# Altium PCB TIK_PCB.PcbDoc (part 2 of 2)
Units mm, origin at the board's own origin, x right, y up, seen from the top; angles counter-clockwise.
Board outline 132 x 54 mm, 2 copper layers (Top Layer, Bottom Layer), stack 1.57 mm thick; 153 components, 81 nets, 467 pads, 1308 vias.
Unrouted connection lines stored in the file: 276.
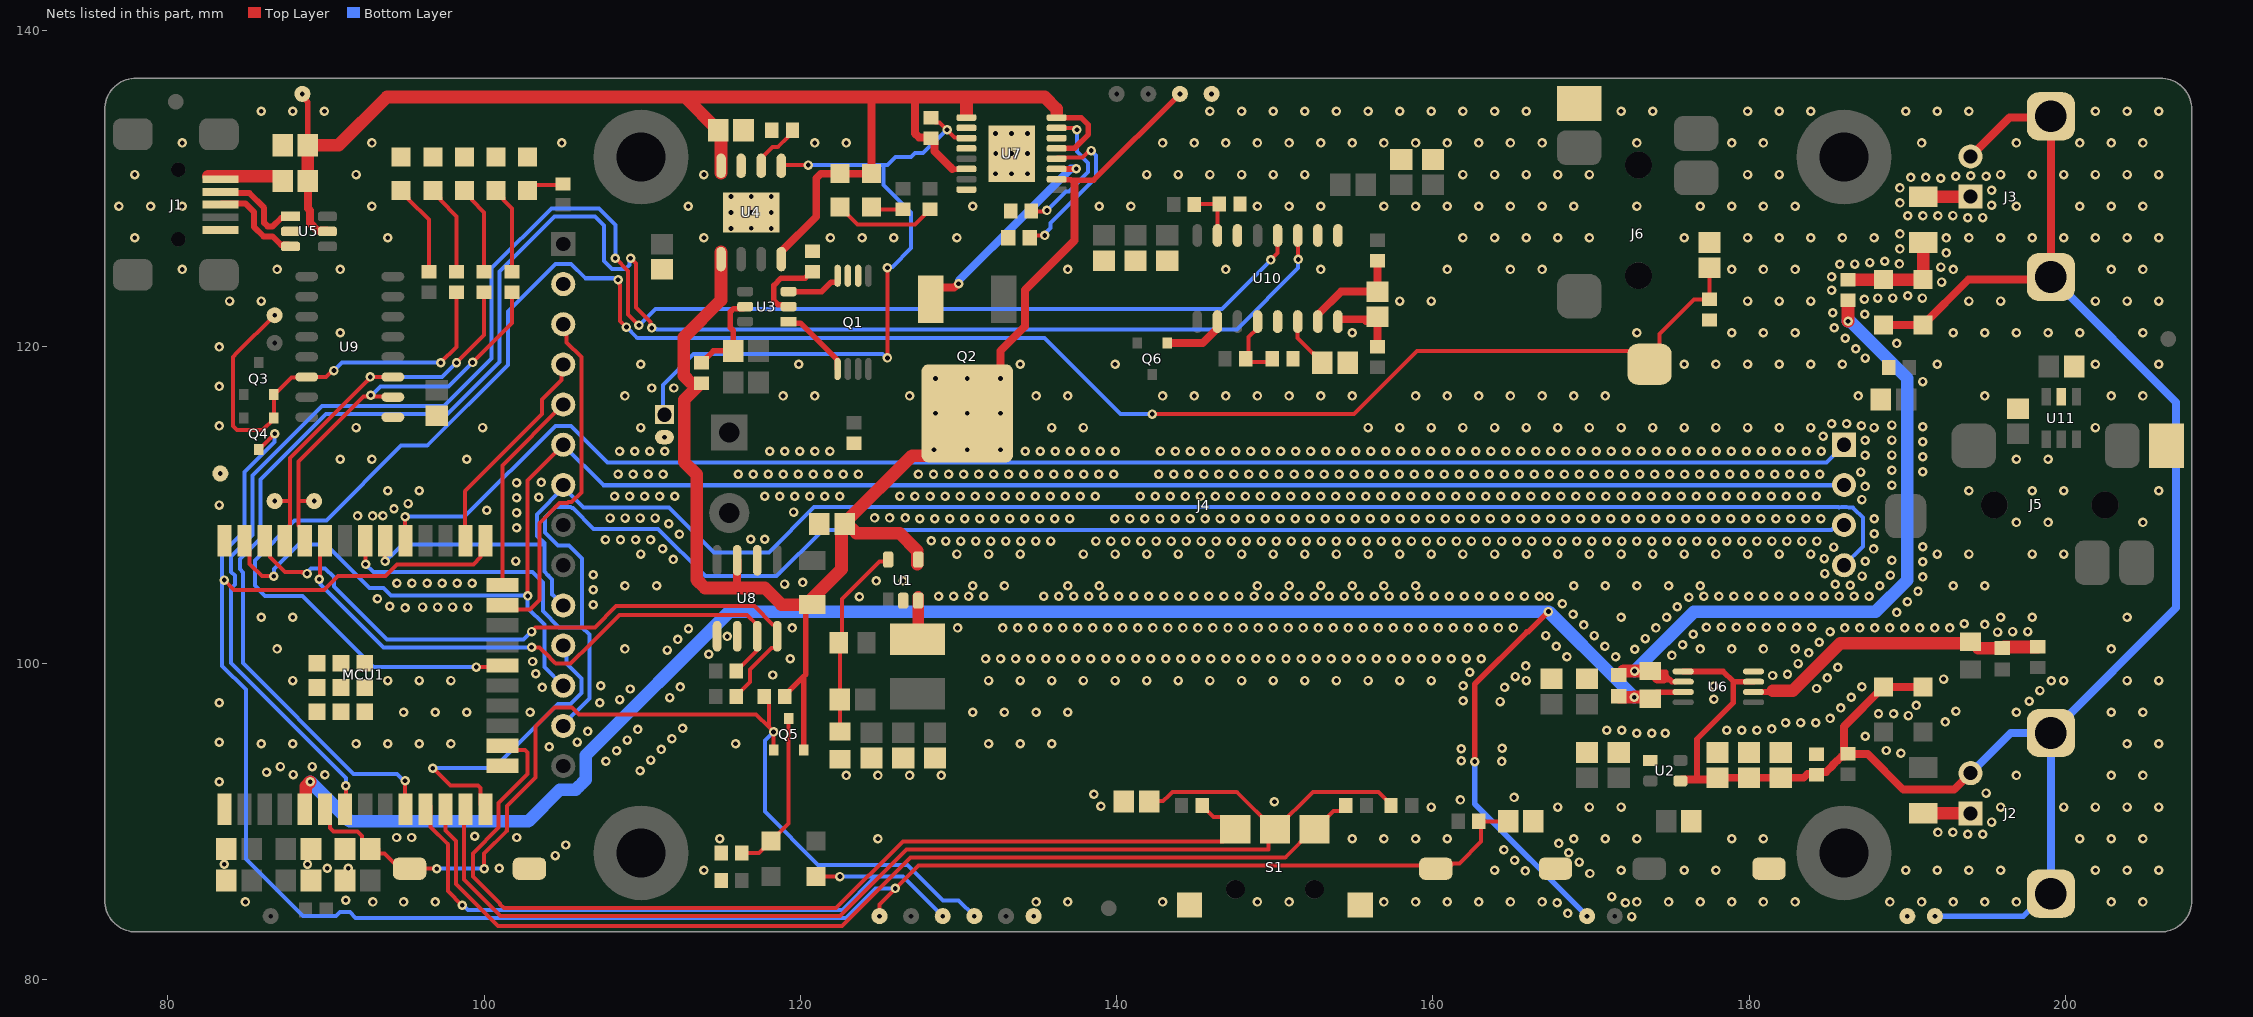
[diagram p2: the nets of this part, all layers, seen from the top]

## Via types
v1: diameter 0.6, hole 0.3, Top Layer to Bottom Layer, tented both sides, 1290 vias
v2: diameter 0.5, hole 0.3, Top Layer to Bottom Layer, tented both sides, 18 vias

## Nets (pads, with @x,y where several pads share a name; then routed paths per layer and width w, separated by ;. In a path a pad name is that pad's centre, name@x,y a point inside that pad or via, vN(x,y) a via of type N, cw(c..) or ccw(c..) an arc to the next point about the centre after c; other vN are vias at no path point) (continued)
GND: C1.1 C2.1 C3.1 C4.1 C6.1 C7.1 C8.1 C9.1 C10.1 C11.1 C12.1 C13.1 C14.1 C16.1 C17.1 C18.1 C19.1 C20.1 C21.1 C26.1 C27.1 C28.1 C30.1 C31.1 C32.1 C33.1 C34.1 C35.1 C36.1 C37.1 C38.1 C40.1 C41.1 C42.1 C43.1 D1.2 D8.2 D9.2 D10.2 D11.2 GND1.1 GND2.1 GND3.1 GND4.1 J1.5 J4.2 J5.1 J6.1 MCU1.1 MCU1.15 MCU1.38 MCU1.39 Q1.2 Q1.3 R3.1 R5.1 R7.1 R8.1 R19.1 R25.1 R31.1 R32.1 R37.1 R38.1 R39.1 R40.1 RT1.2 S1.C S1.G S2.1 S3.1 S4.1 U1.2 U2.1 U4.3 U5.2 U6.4 U7.6 U7.10 U7.12 U7.16 U8.1 U8.2 U8.6 U9.1 U10.5 U10.9 U10.10 U10.14 U11.2
  other v1: 172.572,83.975 168.525,84.174 167.853,84.846 172.176,84.839 84.9,84.9 92.966,84.9 94.9,84.9 96.9,84.9 134.9,84.9 136.9,84.9 142.9,84.9 148.9,84.9 150.9,84.9 156.9,84.9 158.9,84.9 160.9,84.9 162.9,84.9 164.9,84.9 166.9,84.9 172.9,84.9 174.9,84.9 176.9,84.9 178.9,84.9 180.9,84.9 182.9,84.9 188.9,84.9 190.9,84.9 192.9,84.9 194.9,84.9 196.9,84.9 202.9,84.9 204.9,84.9 91.25,85 171.314,85.238 169.926,86.696 165.838,86.861 113.9,86.9 163.9,86.9 171.9,86.9 175.9,86.9 177.9,86.9 189.9,86.9 191.9,86.9 193.9,86.9 195.9,86.9 201.9,86.9 203.9,86.9 205.9,86.9 90.079,87.022 91.405,87.027 100.955,87.027 88.827,87.274 83.564,87.287 169.247,87.416 165.166,87.533 104.487,87.827 168.588,88.001 164.494,88.205 105.159,88.499 167.955,88.596 114.9,88.9 124.9,88.9 154.9,88.9 156.9,88.9 158.9,88.9 160.9,88.9 168.9,88.9 170.9,88.9 172.9,88.9 178.9,88.9 180.9,88.9 200.9,88.9 202.9,88.9 204.9,88.9 94.459,88.973 95.409,88.973 102.059,88.973 99.401,89.046 193.826,89.173 194.776,89.176 191.936,89.292 192.886,89.307 195.327,89.95 159.9,90.9 167.9,90.9 169.9,90.9 171.9,90.9 195.9,90.9 199.9,90.9 201.9,90.9 203.9,90.9 205.9,90.9 139.004,90.942 149.98,91.23 161.737,91.348 165.131,91.506 138.564,91.701 194.978,91.784 83.25,92.5 122.9,92.9 124.9,92.9 126.9,92.9 128.9,92.9 196.9,92.9 202.9,92.9 204.9,92.9 89.93,92.946 87.922,92.953 86.24,93.099 109.861,93.201 89.13,93.458 87.119,93.46 164.36,93.78 107.703,93.794 161.787,93.828 110.533,93.873 189.596,94.293 108.375,94.466 188.664,94.475 111.205,94.545 161.787,94.593 164.37,94.62 104.109,94.704 85.9,94.9 87.9,94.9 91.9,94.9 93.9,94.9 95.9,94.9 97.9,94.9 115.9,94.9 131.9,94.9 133.9,94.9 135.9,94.9 203.9,94.9 205.9,94.9 83.25,95 105.88,95.006 109.047,95.138 111.877,95.216 187.335,95.383 172.888,95.567 173.838,95.567 174.696,95.567 106.552,95.677 170.988,95.753 171.938,95.753 178.588,95.753 179.538,95.753 180.488,95.753 109.719,95.81 181.434,95.838 112.548,95.888 182.303,96.223 183.253,96.223 184.203,96.223 192.406,96.28 185.112,96.5 190.071,96.687 188.178,96.805 189.128,96.799 94.9,96.9 96.9,96.9 98.9,96.9 102.9,96.9 130.9,96.9 132.9,96.9 134.9,96.9 136.9,96.9 196.9,96.9 202.9,96.9 204.9,96.9 193.077,96.952 185.786,97.169 190.57,97.322 107.307,97.487 83.25,97.5 164.243,97.573 197.717,97.591 161.903,97.621 108.567,97.693 177.768,97.71 111.734,97.825 186.457,97.841 198.388,98.263 109.239,98.364 184.261,98.396 103.676,98.465 164.53,98.479 112.406,98.497 187.129,98.513 177.772,98.549 107.379,98.571 161.903,98.571 199.104,98.887 87.9,98.9 93.9,98.9 95.9,98.9 97.9,98.9 131.9,98.9 133.9,98.9 135.9,98.9 137.9,98.9 139.9,98.9 141.9,98.9 143.9,98.9 145.9,98.9 147.9,98.9 149.9,98.9 151.9,98.9 153.9,98.9 155.9,98.9 157.9,98.9 159.9,98.9 165.9,98.9 199.9,98.9 203.9,98.9 205.9,98.9 192.291,98.995 184.932,99.067 165.202,99.15 181.477,99.218 118.25,99.25 182.423,99.299 103.27,99.324 162.335,99.417 185.604,99.739 165.873,99.822 183.095,99.971 103.058,100.103 119.359,100.277 131.709,100.277 132.659,100.277 133.609,100.277 134.559,100.277 135.509,100.277 136.459,100.277 137.409,100.277 138.359,100.277 139.309,100.277 140.259,100.277 141.209,100.277 142.159,100.277 143.109,100.277 144.059,100.277 145.009,100.277 145.959,100.277 146.909,100.277 147.859,100.277 148.809,100.277 149.759,100.277 150.709,100.277 151.659,100.277 152.608,100.277 153.558,100.277 154.508,100.277 155.458,100.277 156.408,100.277 157.358,100.277 158.308,100.277 159.258,100.277 160.208,100.277 161.158,100.277 162.108,100.277 163.058,100.277 168.475,100.401 171.551,100.4 175.112,100.487 114.198,100.556 183.767,100.642 111.578,100.828 86.9,100.9 108.9,100.9 172.757,100.883 176.9,100.9 178.9,100.9 180.9,100.9 182.9,100.9 202.9,100.9 167.803,101.072 170.879,101.072 175.784,101.158 184.439,101.314 112.25,101.5 173.429,101.554 115.377,101.686 167.131,101.744 170.207,101.743 176.456,101.83 195.71,101.965 185.118,101.978 196.659,101.998 197.609,101.998 112.922,102.172 119.491,102.223 129.94,102.223 132.79,102.223 133.74,102.223 134.69,102.223 135.64,102.223 136.59,102.223 137.54,102.223 138.49,102.223 139.44,102.223 140.39,102.223 141.34,102.223 142.29,102.223 143.24,102.223 144.19,102.223 145.14,102.223 146.09,102.223 147.04,102.223 147.99,102.223 148.94,102.223 149.89,102.223 150.84,102.223 151.79,102.223 152.74,102.223 153.69,102.223 154.64,102.223 155.59,102.223 156.54,102.223 157.49,102.223 158.44,102.223 159.39,102.223 160.34,102.223 161.29,102.223 162.24,102.223 163.19,102.223 164.14,102.223 165.09,102.223 174.101,102.226 186.036,102.223 186.986,102.223 187.936,102.223 188.886,102.223 189.836,102.223 190.786,102.223 191.736,102.223 192.686,102.223 177.294,102.277 178.244,102.277 179.194,102.277 180.144,102.277 181.094,102.277 182.044,102.277 182.994,102.277 183.944,102.277 169.535,102.415 194.891,102.447 193.598,102.49 85.9,102.9 87.9,102.9 171.9,102.9 174.772,102.898 195.9,102.9 197.9,102.9 203.9,102.9 168.864,103.087 189.333,103.208 95,103.5 96.103,103.548 97.053,103.548 98.003,103.548 98.953,103.548 175.444,103.57 94.034,103.605 106.896,103.692 168.192,103.759 190.005,103.879 93.253,104.069 176.187,104.162 123.728,104.204 128.736,104.223 129.686,104.223 130.636,104.223 131.586,104.223 135.386,104.223 136.336,104.223 137.286,104.223 138.236,104.223 139.186,104.223 140.136,104.223 141.086,104.223 142.036,104.223 142.986,104.223 143.936,104.223 144.886,104.223 145.836,104.223 146.786,104.223 147.736,104.223 148.686,104.223 149.636,104.223 150.586,104.223 151.536,104.223 152.486,104.223 153.436,104.223 154.386,104.223 155.336,104.223 156.286,104.223 157.236,104.223 158.186,104.223 159.136,104.223 160.086,104.223 161.036,104.223 161.986,104.223 162.936,104.223 163.886,104.223 164.836,104.223 165.786,104.223 166.736,104.223 167.357,104.212 177.135,104.223 178.085,104.223 179.035,104.223 179.985,104.223 180.935,104.223 181.885,104.223 182.835,104.223 183.785,104.223 184.735,104.223 185.685,104.223 186.635,104.223 187.585,104.223 190.677,104.551 106.896,104.642 188.263,104.888 108.9,104.9 110.9,104.9 130.9,104.9 132.9,104.9 136.9,104.9 138.9,104.9 148.9,104.9 150.9,104.9 152.9,104.9 154.9,104.9 156.9,104.9 158.9,104.9 168.9,104.9 170.9,104.9 172.9,104.9 174.9,104.9 176.9,104.9 192.9,104.9 194.9,104.9 186.391,104.921 185.443,104.984 119,105 94.485,105.048 95.435,105.048 96.385,105.048 97.335,105.048 98.285,105.048 99.235,105.048 120.142,105.101 124.8,105.2 126.5,105.2 190.973,105.454 187.137,105.509 188.935,105.56 106.896,105.592 184.781,105.665 190.973,106.404 187.338,106.438 102.003,106.452 189.027,106.506 111.952,106.555 184.74,106.615 109.9,106.9 129.9,106.9 131.9,106.9 133.9,106.9 137.9,106.9 139.9,106.9 141.9,106.9 143.9,106.9 145.9,106.9 147.9,106.9 149.9,106.9 151.9,106.9 153.9,106.9 155.9,106.9 157.9,106.9 159.9,106.9 161.9,106.9 163.9,106.9 165.9,106.9 167.9,106.9 169.9,106.9 171.9,106.9 173.9,106.9 175.9,106.9 177.9,106.9 179.9,106.9 181.9,106.9 183.9,106.9 191.9,106.9 193.9,106.9 197.9,106.9 199.9,106.9 187.87,107.225 111.28,107.226 185.349,107.344 190.973,107.354 129.188,107.723 130.138,107.723 131.088,107.723 132.038,107.723 132.988,107.723 133.938,107.723 134.888,107.723 135.838,107.723 138.688,107.723 139.638,107.723 140.588,107.723 141.538,107.723 142.488,107.723 143.438,107.723 144.388,107.723 145.338,107.723 146.288,107.723 147.238,107.723 148.188,107.723 149.138,107.723 150.088,107.723 151.038,107.723 151.988,107.723 152.938,107.723 153.888,107.723 154.838,107.723 155.788,107.723 156.738,107.723 157.688,107.723 158.638,107.723 159.588,107.723 160.538,107.723 161.488,107.723 162.438,107.723 163.388,107.723 164.338,107.723 165.288,107.723 166.238,107.723 167.188,107.723 168.138,107.723 169.088,107.723 170.038,107.723 170.988,107.723 171.938,107.723 172.888,107.723 173.838,107.723 174.788,107.723 175.738,107.723 176.688,107.723 177.638,107.723 178.588,107.723 179.538,107.723 180.488,107.723 181.438,107.723 182.388,107.723 183.338,107.723 184.288,107.723 128.268,107.741 107.672,107.798 108.622,107.798 109.572,107.798 110.522,107.798 116.864,107.83 117.746,107.83 112.348,108.145 187.902,108.175 102.048,108.556 111.677,108.817 196.9,108.9 198.9,108.9 204.9,108.9 127.54,109.128 128.49,109.128 129.44,109.128 130.39,109.128 131.34,109.128 132.29,109.128 133.24,109.128 134.19,109.128 135.14,109.128 136.09,109.128 137.04,109.128 139.89,109.128 140.84,109.128 141.79,109.128 142.74,109.128 143.69,109.128 144.64,109.128 145.59,109.128 146.54,109.128 147.49,109.128 148.44,109.128 149.39,109.128 150.34,109.128 151.29,109.128 152.24,109.128 153.19,109.128 154.14,109.128 155.09,109.128 156.04,109.128 156.99,109.128 157.94,109.128 158.89,109.128 159.84,109.128 160.79,109.128 161.74,109.128 162.69,109.128 163.64,109.128 164.59,109.128 165.54,109.128 166.49,109.128 167.44,109.128 168.39,109.128 169.34,109.128 170.29,109.128 171.24,109.128 172.19,109.128 173.14,109.128 174.09,109.128 175.04,109.128 175.99,109.128 176.94,109.128 177.89,109.128 178.84,109.128 179.79,109.128 180.74,109.128 181.69,109.128 182.64,109.128 183.59,109.128 184.54,109.128 187.902,109.125 107.958,109.173 108.908,109.173 109.858,109.173 110.808,109.173 124.69,109.186 125.64,109.186 126.636,109.186 91.995,109.308 92.945,109.312 93.597,109.315 102.048,109.506 119.564,109.557 100.169,109.675 94.298,109.756 83.25,110 95.185,110.095 187.131,110.346 102.048,110.456 103.452,110.489 108.245,110.548 109.195,110.548 110.145,110.548 111.095,110.548 112.045,110.548 117.745,110.548 118.695,110.548 119.645,110.548 120.595,110.548 121.545,110.548 122.495,110.548 126.295,110.548 127.245,110.548 128.195,110.548 129.145,110.548 130.095,110.548 131.045,110.548 131.995,110.548 132.945,110.548 133.895,110.548 134.845,110.548 135.795,110.548 136.745,110.548 137.695,110.548 138.645,110.548 141.495,110.548 142.445,110.548 143.395,110.548 144.345,110.548 145.295,110.548 146.245,110.548 147.195,110.548 148.145,110.548 149.095,110.548 150.045,110.548 150.995,110.548 151.945,110.548 152.895,110.548 153.845,110.548 154.795,110.548 155.745,110.548 156.695,110.548 157.645,110.548 158.595,110.548 159.545,110.548 160.495,110.548 161.445,110.548 162.395,110.548 163.345,110.548 164.295,110.548 165.245,110.548 166.195,110.548 167.145,110.548 168.095,110.548 169.045,110.548 169.995,110.548 170.945,110.548 171.895,110.548 172.845,110.548 173.795,110.548 174.745,110.548 175.695,110.548 176.645,110.548 177.595,110.548 178.545,110.548 179.495,110.548 180.445,110.548 181.395,110.548 182.345,110.548 183.295,110.548 184.245,110.548 93.9,110.9 95.9,110.9 193.9,110.9 197.9,110.9 199.9,110.9 205.9,110.9 187.326,111.175 189.027,111.256 102.048,111.406 103.609,111.426 108.466,111.952 109.416,111.952 110.366,111.952 111.316,111.952 116.066,111.952 117.016,111.952 117.966,111.952 118.916,111.952 119.866,111.952 120.816,111.952 121.766,111.952 122.716,111.952 123.666,111.952 127.466,111.952 128.416,111.952 129.366,111.952 130.316,111.952 131.266,111.952 132.216,111.952 133.166,111.952 134.116,111.952 135.066,111.952 136.016,111.952 136.966,111.952 137.916,111.952 138.866,111.952 139.816,111.952 142.666,111.952 143.616,111.952 144.566,111.952 145.516,111.952 146.466,111.952 147.416,111.952 148.365,111.952 149.315,111.952 150.265,111.952 151.215,111.952 152.165,111.952 153.115,111.952 154.065,111.952 155.015,111.952 155.965,111.952 156.915,111.952 157.865,111.952 158.815,111.952 159.765,111.952 160.715,111.952 161.665,111.952 162.615,111.952 163.565,111.952 164.515,111.952 165.465,111.952 166.415,111.952 167.365,111.952 168.315,111.952 169.265,111.952 170.215,111.952 171.165,111.952 172.115,111.952 173.065,111.952 174.015,111.952 174.965,111.952 175.915,111.952 176.865,111.952 177.815,111.952 178.765,111.952 179.715,111.952 180.665,111.952 181.615,111.952 182.565,111.952 183.515,111.952 184.465,111.952 187.048,112.083 190.973,112.104 189.027,112.206 90.9,112.9 92.9,112.9 98.9,112.9 196.9,112.9 198.9,112.9 190.973,113.054 187.327,113.14 189.027,113.156 108.565,113.402 109.515,113.402 110.465,113.402 111.415,113.402 118.065,113.402 119.015,113.402 119.965,113.402 120.915,113.402 121.865,113.402 134.215,113.402 135.165,113.402 136.115,113.402 137.065,113.402 138.015,113.402 138.965,113.402 139.915,113.402 142.765,113.402 143.715,113.402 144.665,113.402 145.615,113.402 146.565,113.402 147.515,113.402 148.465,113.402 149.415,113.402 150.365,113.402 151.315,113.402 152.265,113.402 153.215,113.402 154.165,113.402 155.115,113.402 156.065,113.402 157.015,113.402 157.965,113.402 158.915,113.402 159.865,113.402 160.815,113.402 161.765,113.402 162.715,113.402 163.665,113.402 164.615,113.402 165.565,113.402 166.515,113.402 167.465,113.402 168.415,113.402 169.365,113.402 170.315,113.402 171.265,113.402 172.215,113.402 173.165,113.402 174.115,113.402 175.065,113.402 176.015,113.402 176.965,113.402 177.915,113.402 178.865,113.402 179.815,113.402 180.765,113.402 181.715,113.402 182.665,113.402 183.615,113.402 184.565,113.402 190.973,114.004 187.327,114.09 189.027,114.106 184.673,114.346 91.9,114.9 99.9,114.9 109.9,114.9 135.9,114.9 137.9,114.9 155.9,114.9 157.9,114.9 159.9,114.9 161.9,114.9 163.9,114.9 165.9,114.9 167.9,114.9 169.9,114.9 171.9,114.9 173.9,114.9 175.9,114.9 177.9,114.9 179.9,114.9 181.9,114.9 183.9,114.9 187.9,114.9 201.9,114.9 190.973,114.954 83.25,115 187.1,115.012 189.027,115.056 185.208,115.131 186.158,115.137 108.9,116.9 118.9,116.9 120.9,116.9 126.9,116.9 134.9,116.9 136.9,116.9 142.9,116.9 144.9,116.9 146.9,116.9 148.9,116.9 150.9,116.9 152.9,116.9 154.9,116.9 158.9,116.9 160.9,116.9 162.9,116.9 164.9,116.9 166.9,116.9 168.9,116.9 170.9,116.9 186.9,116.9 194.9,116.9 202.9,116.9 204.9,116.9 110.6,117.4 112,117.4 83.25,117.5 190.973,117.804 109.9,118.9 119.9,118.9 133.9,118.9 139.9,118.9 175.9,118.9 177.9,118.9 179.9,118.9 181.9,118.9 183.9,118.9 185.9,118.9 191.9,118.9 201.9,118.9 205.9,118.9 187.335,119.29 186.743,119.882 83.25,120 189.327,120.22 186.071,120.554 90.9,120.9 154.9,120.9 172.9,120.9 178.9,120.9 180.9,120.9 182.9,120.9 192.9,120.9 194.9,120.9 196.9,120.9 198.9,120.9 200.9,120.9 204.9,120.9 185.382,121.208 187.312,122.063 185.277,122.152 83.9,122.9 85.9,122.9 157.9,122.9 159.9,122.9 179.9,122.9 181.9,122.9 183.9,122.9 193.9,122.9 195.9,122.9 201.9,122.9 203.9,122.9 205.9,122.9 187.29,123.013 188.134,123.085 189.084,123.085 190.96,123.085 190.022,123.236 185.212,123.578 192.165,124.101 185.21,124.432 80.9,124.9 86.9,124.9 90.9,124.9 136.9,124.9 146.9,124.9 152.9,124.9 160.9,124.9 164.9,124.9 166.9,124.9 178.9,124.9 180.9,124.9 182.9,124.9 192.9,124.9 202.9,124.9 204.9,124.9 192.125,125.05 185.726,125.23 186.676,125.24 189.502,125.245 187.622,125.33 188.568,125.415 192.462,125.938 189.535,126.194 77.9,126.9 93.9,126.9 113.9,126.9 121.9,126.9 123.9,126.9 125.9,126.9 129.9,126.9 161.9,126.9 163.9,126.9 165.9,126.9 167.9,126.9 169.9,126.9 175.9,126.9 179.9,126.9 181.9,126.9 183.9,126.9 185.9,126.9 187.9,126.9 192.465,126.888 193.9,126.9 195.9,126.9 197.9,126.9 199.9,126.9 201.9,126.9 203.9,126.9 205.9,126.9 189.535,127.144 193.826,128.173 194.776,128.176 190.036,128.298 190.986,128.285 191.936,128.292 192.886,128.307 76.9,128.9 78.9,128.9 80.9,128.9 92.9,128.9 112.9,128.9 130.9,128.9 138.9,128.9 140.9,128.9 148.9,128.9 150.9,128.9 152.9,128.9 156.9,128.9 158.9,128.9 160.9,128.9 162.9,128.9 164.9,128.9 166.9,128.9 168.9,128.9 172.9,128.9 176.9,128.9 178.9,128.9 180.9,128.9 182.9,128.9 196.9,128.9 200.9,128.9 202.9,128.9 204.9,128.9 195.327,128.95 189.535,129.105 195.327,129.9 189.535,130.055 192.118,130.671 190.219,130.715 191.169,130.715 193.06,130.791 194.978,130.784 194.009,130.827 77.9,130.9 91.9,130.9 113.9,130.9 141.9,130.9 143.9,130.9 145.9,130.9 147.9,130.9 149.9,130.9 151.9,130.9 161.9,130.9 163.9,130.9 165.9,130.9 167.9,130.9 169.9,130.9 179.9,130.9 181.9,130.9 195.9,130.9 197.9,130.9 199.9,130.9 201.9,130.9 203.9,130.9 205.9,130.9 80.9,132.9 92.9,132.9 104.9,132.9 120.9,132.9 122.9,132.9 142.9,132.9 144.9,132.9 146.9,132.9 148.9,132.9 150.9,132.9 152.9,132.9 154.9,132.9 156.9,132.9 158.9,132.9 160.9,132.9 162.9,132.9 164.9,132.9 166.9,132.9 172.9,132.9 178.9,132.9 180.9,132.9 190.9,132.9 196.9,132.9 200.9,132.9 202.9,132.9 204.9,132.9 85.9,134.9 87.9,134.9 89.9,134.9 145.9,134.9 147.9,134.9 149.9,134.9 151.9,134.9 153.9,134.9 155.9,134.9 157.9,134.9 159.9,134.9 161.9,134.9 163.9,134.9 165.9,134.9 171.9,134.9 173.9,134.9 179.9,134.9 181.9,134.9 183.9,134.9 189.9,134.9 191.9,134.9 193.9,134.9 201.9,134.9 203.9,134.9 205.9,134.9
  other v2: 115.615,127.484 118.155,127.484 116.885,127.5 115.615,128.5 116.885,128.5 118.155,128.5 115.615,129.516 116.885,129.516 118.155,129.516 132.334,130.955 133.35,130.955 134.366,130.955 132.35,132.225 133.35,132.225 134.366,132.225 132.334,133.495 133.35,133.495 134.366,133.495
GPIO0: C20.2 GPIO0.1 MCU1.25 Q4.3 R13.1 S3.2 | length 136.6
  Top Layer w0.254: v1(83.562,105.25) 84.182,104.63 89.88,104.63 90.75,105.5 93.75,105.5 94.5,106.25 99.313,106.25 99.766,106.703 99.766,107.427 MCU1.25@100.089,107.75 ; Q4.3@85.75,113.5 v1(86.75,114.5) ; GPIO0.1@125,84 125,84.75 v1(126,85.75) 127.453,87.203 160.728,87.203 S3.2@160.931,87 ; S3.2@160.431,87 S3.2@160.931,87 ; C20.2@164.75,90 163.05,90 163.05,88.71 161.673,87.333 161.264,87.333 S3.2@160.931,87
  Bottom Layer w0.254: v1(83.562,105.25) v1@83.425,105.25 ; v1(86.75,114.5) 86.75,114 84.845,112.095 84.845,108.345 83.425,106.925 v1@83.425,105.25 ; v1(126,85.75) 124.75,85.75 122.889,83.889 91.861,83.889 91.5,84.25 90.888,84.25 90.638,84 88.553,84 84.931,87.622 84.931,98.319 83.425,99.825 v1@83.425,105.25
HX_DATA: MCU1.7 U10.12 | length 109
  Top Layer w0.254: MCU1.7@91.204,90.75 91.25,90.796 v1(91.25,92.25) ; v1(108.292,125.612) 108.292,125.607 109.1,124.798 109.1,122.05 v1(109.79,121.36) ; v1(149.75,125.5) 149.75,125.52 150.174,125.944 150.174,127.044 U10.12@150.18,127.05
  Bottom Layer w0.254: v1(91.25,92.25) 91.25,92.75 84,100 84,104.725 84.243,104.968 84.243,105.532 84,105.775 84,106.75 85.353,108.103 85.353,111.853 89.758,116.258 97.471,116.258 100.476,119.263 100.476,124.976 104.25,128.75 107.25,128.75 108.292,127.708 v1(108.292,125.612) ; v1(109.79,121.36) 110.83,122.4 146.65,122.4 v1(149.75,125.5)
HX_SCK: MCU1.10 U10.11 | length 113.8
  Top Layer w0.254: v1(95,92.554) 95,90.769 MCU1.10@95.019,90.75 ; v1(109.255,125.607) 109.6,125.261 109.6,122.5 110.534,121.566 110.534,121.266 v1(110.6,121.2) ; U10.11@151.45,127.05 151.464,127.036 151.464,125.546 v1(151.477,125.532)
  Bottom Layer w0.254: v1(95,92.554) 94.929,92.554 94.483,93 91.75,93 84.751,99.999 84.751,105.742 84.547,105.946 84.547,106.579 85.861,107.893 85.861,111.611 90,115.75 97.681,115.75 100.984,119.053 100.984,124.766 104.46,128.242 107,128.242 107.569,127.673 107.569,125.431 108.069,124.931 108.782,124.931 108.788,124.926 108.922,124.926 109.189,125.192 109.189,125.54 v1(109.255,125.607) ; v1(110.6,121.2) 110.666,121.134 110.888,121.134 110.922,121.1 147.6,121.1 151.477,124.977 v1(151.477,125.532)
HX_SW: C42.2 J6.5 MCU1.20 R40.2 | length 133
  Top Layer w0.254: v1(99.5,99.75) 101.059,99.75 MCU1.20@101.16,99.851 ; v1(108.47,124.25) 108.536,124.184 108.536,123.992 108.6,123.928 108.6,121.65 v1(109,121.25) ; v1(142.25,115.75) 142.258,115.758 155.008,115.758 159,119.75 172.85,119.75 J6.5@173.7,118.9 174.323,119.523 174.323,120.823 176.5,123 R40.2@177.5,123 C42.2@177.5,125
  Bottom Layer w0.254: v1(99.5,99.75) 93,99.75 88.5,104.25 86.149,104.25 85.5,104.899 85.5,106.5 88.016,109.016 90.016,109.016 94.75,113.75 96.4,113.75 101.492,118.842 101.492,122.242 104.5,125.25 105.5,125.25 106.409,124.341 108.165,124.341 108.189,124.316 108.404,124.316 v1(108.47,124.25) ; v1(109,121.25) 109.681,120.569 135.423,120.569 135.746,120.246 135.754,120.246 140.25,115.75 v1(142.25,115.75)
INA+: C39.1 R34.2 U10.8 | length 4.6
  Top Layer w0.5: U10.8@153.99,121.6 153.99,121.704 154.036,121.75 156.35,121.75 C39.1@156.5,121.9 R34.2@156.5,120 ; 155.775,121.625 C39.1@155.8,121.65
INA-: C39.2 R33.2 U10.7 | length 6.8
  Top Layer w0.5: U10.7@152.72,121.6 152.72,122.025 154.195,123.5 C39.2@156.5,123.5 R33.2@156.5,125.45
LCD_CS: J4.3 MCU1.23 | length 22.1
  Top Layer w0.254: MCU1.23@101.16,103.666 101.759,103.666 102.033,103.392 102.892,103.392 103.5,104 103.5,108.846 104.771,110.118 105.281,110.118 105.339,110.176 105.522,110.176 106.143,110.797 106.143,119.363 105.219,120.287 105.219,121.211 J4.3@105,121.43
LCD_DC: J4.5 MCU1.24 | length 13.1
  Top Layer w0.254: MCU1.24@101.16,104.936 101.16,112.51 J4.5@105,116.35 J4.5@105,116.282
LCD_RESET: J4.4 MCU1.26 | length 13.7
  Top Layer w0.254: MCU1.26@98.824,107.75 98.802,107.772 98.802,110.871 103.672,115.74 103.672,116.672 104.896,117.896 104.896,118.786 J4.4@105,118.89
NetC5_1: C5.1 R1.1 R3.2 U1.5 | length 12.1
  Top Layer w0.254: R1.1@122.425,101.3 122.5,101.225 C5.1@122.5,97.7 R3.2@122.5,95.675 ; R1.1@122.427,101.775 122.5,101.848 122.618,101.848 122.618,104.057 124.988,106.426 125.426,106.426 U1.5@125.55,106.55
NetC15_2: C15.2 R6.1 U3.5 | length 5.9
  Top Layer w0.35: R6.1@113.75,119 113.8,119 114.05,119.25 114.05,119.3 114.5,119.75 C15.2@115.75,119.75 115.75,121.031 115.571,121.21 115.571,122.22 115.776,122.425 116.375,122.425 U3.5@116.5,122.55
NetC22_1: C22.1 R14.1 R15.2 U6.2 | length 19.5
  Top Layer w0.35: U6.2@180.275,98.175 181.425,98.175 181.5,98.25
  Top Layer w0.8: 181.5,98.25 182.75,98.25 185.75,101.25 193.9,101.25 R14.1@194,101.35 194.1,101.35 194.5,100.95 C22.1@196,100.95 196.05,100.95 196.125,101.025 R15.2@198.25,101.025
NetC23_1: C23.1 J2.1 | length 3
  Top Layer w0.8: C23.1@191,90.5 J2.1@194,90.5
NetC24_1: C24.1 J3.1 | length 2.8
  Top Layer w0.8: C24.1@191.25,129.5 J3.1@194,129.5
NetC25_1: C25.1 R16.2 R17.1 U6.6 | length 45.6
  Top Layer w0.35: v1(172.75,99.5) 173.85,99.5 174.232,99.5 174.232,99.453 174.25,99.435 174.721,99.435 174.721,99.22 175.111,98.83 175.326,98.83 U6.6@175.331,98.825 ; 174.576,99.118 174.738,98.956 174.967,98.956 175.064,98.859
  Top Layer w0.8: C25.1@171.75,99.25 171.8,99.3 171.85,99.3 172.05,99.5 v1(172.75,99.5) R17.1@173.75,99.5 ; R17.1@173.85,99.5 174.232,99.118 174.576,99.118 ; v1(186.25,121.625) R16.2@186.25,122.95
  Bottom Layer w0.8: v1(172.75,99.5) 176.5,103.25 188,103.25 190,105.25 190,118 186.375,121.625 v1(186.25,121.625)
NetC28_2: C28.2 U7.4 | length 10.2
  Top Layer w0.254: C28.2@134.5,126.9 134.65,127.05 v1(135.446,127.05) ; U7.4@136.2,131.9 136.264,131.964 137.844,131.964 138.292,132.412 v1(138.385,132.412)
  Bottom Layer w0.254: v1(135.446,127.05) 135.446,127.143 135.819,127.516 135.819,127.819 138.7,130.7 138.7,132.09 138.385,132.405 v1(138.385,132.412)
NetC40_2: C40.2 U10.6 | length 3.3
  Top Layer w0.254: U10.6@151.45,121.6 151.45,120.55 152.427,119.573 152.477,119.573 153,119.05 C40.2@153,119
NetD1_1: D1.1 R2.1 | length 2.4
  Top Layer w0.254: D1.1@102.75,129.9 103.1,130.25 104.95,130.25 R2.1@105,130.3
NetD6_2: D6.2 R23.2 | length 2.1
  Top Layer w0.254: D6.2@124.5,128.85 124.65,128.7 R23.2@126.5,128.7
NetD7_2: D7.2 R24.2 | length 6.8
  Top Layer w0.254: D7.2@122.35,128.7 D7.2@122.5,128.85 123.6,127.75 127.25,127.75 R24.2@128.2,128.7 R24.2@128.25,128.7
NetD8_1: D8.1 R26.1 | length 5.8
  Top Layer w0.254: D8.1@96.75,129.9 97.223,129.427 97.223,129.277 98.25,128.25 R26.1@98.25,124.75
NetD9_1: D9.1 R27.1 | length 5.9
  Top Layer w0.254: D9.1@94.75,129.9 95.223,129.427 95.223,129.321 96.5,128.044 R27.1@96.5,124.75
NetD10_1: D10.1 R28.1 | length 5.6
  Top Layer w0.254: D10.1@100.75,129.9 101.223,129.427 101.223,129.277 101.745,128.755 101.745,124.755 R28.1@101.75,124.75
NetD11_1: D11.1 R29.1 | length 5.7
  Top Layer w0.254: D11.1@98.75,129.9 99.223,129.427 99.223,129.277 100,128.5 R29.1@100,124.75
NetD12_1: D12.1 Q5.3 R31.2 | length 10.4
  Top Layer w0.254: R31.2@116.29,88 117.39,88 D12.1@118.14,88.75 119.25,89.86 Q5.3@119.25,96.5
NetL1_1: L1.1 U1.3 | length 2.7
  Top Layer w0.7: L1.1@127.4,101.5 127.45,101.55 U1.3@127.45,104.2
NetQ1_4: Q1.4 U3.3 | length 3.7
  Top Layer w0.35: U3.3@119.25,123.5 121.35,123.5 121.937,124.087 122.324,124.087 122.35,124.113 Q1.4@122.35,124.5
NetQ1_5: Q1.5 U3.1 | length 4.7
  Top Layer w0.35: U3.1@119.25,121.6 119.346,121.504 119.996,121.504 122.339,119.161 122.339,118.611 Q1.5@122.35,118.6
NetQ6_1: Q6.1 U10.2 | length 4
  Top Layer w0.5: Q6.1@143.2,120.25 145.445,120.25 146.337,121.142 146.337,121.567 U10.2@146.37,121.6
NetR7_2: R7.2 U3.2 | length 4.8
  Top Layer w0.35: U3.2@119.25,122.55 119.125,122.675 118.575,122.675 118.321,122.929 118.321,123.89 118.777,124.346 120.296,124.346 120.7,124.75 R7.2@120.75,124.75
NetR8_2: R8.2 U4.2 | length 3.3
  Top Layer w0.254: U4.2@117.52,131.45 117.52,131.925 118.222,132.627 118.566,132.627 119.202,133.263 119.202,133.402 R8.2@119.5,133.7
NetR19_2: R19.2 U7.7 | length 9
  Top Layer w0.254: R19.2@134.562,128.562 135.522,128.562 v1(135.588,128.628) ; U7.7@136.2,133.85 137.275,133.85 137.391,133.735 v1(137.485,133.735)
  Bottom Layer w0.254: v1(135.588,128.628) 136.801,129.842 136.976,129.842 138.192,131.057 138.192,131.642 137.485,132.35 v1(137.485,133.735)
NetR35_1: R35.1 R37.2 U10.15 | length 3.6
  Top Layer w0.254: R35.1@145,129.05 R37.2@146.5,129.05 146.37,128.92 U10.15@146.37,127.05
NetR36_1: R36.1 R38.2 U10.4 | length 4.3
  Top Layer w0.254: U10.4@148.91,121.6 148.91,121.175 148.35,120.615 148.35,119.05 R38.2@149.9,119.05
POWER_SW_HOLD: D13.1 MCU1.11 PW_HOLD.1 | length 43.3
  Top Layer w0.254: MCU1.11@96.612,90.981 96.612,89.638 97.704,88.546 97.704,85.583 v1(98.606,84.681) ; D13.1@121,86.5 v1(122.5,86.5)
  Bottom Layer w0.254: v1(98.606,84.681) 98.7,84.681 98.984,84.397 122.647,84.397 124.75,86.5 ; v1(122.5,86.5) 124.75,86.5 ; PW_HOLD.1@129,84 127.508,85.492 126.5,86.5 124.75,86.5
POWER_SW_USER: C32.2 MCU1.6 PW_USER.1 Q5.1 R30.1 S4.2 | length 62.3
  Top Layer w0.254: MCU1.6@89.929,90.75 90.236,90.443 90.236,89.576 90.462,89.35 91.989,89.35 92.277,89.062 92.277,88.773 C32.2@92.8,88.25 ; C32.2@93.277,88.296 93.323,88.25 93.323,87.962 93.682,87.962 94.645,87 S4.2@94.65,87.006 ; S4.2@95.288,87 v1(97,87) ; v1(100,87) 100,87.954 101.428,89.382 101.428,89.428 101.451,89.451 101.451,90.97 103.25,92.769 103.25,96 104.45,97.2 105.55,97.2 106,96.75 117.196,96.75 118,95.946 ; R30.1@117.7,97.9 117.998,97.602 117.998,97.405 118,97.403 118,95.946 ; Q5.1@118.3,94.55 v1(118.3,95.646) 118,95.946
  Bottom Layer w0.254: v1(97,87) v1(100,87) ; v1(118.3,95.646) 117.75,95.096 117.75,90.608 121.116,87.242 126.758,87.242 129.008,84.992 130.008,84.992 PW_USER.1@131,84
R\T\S\: Q3.2 Q4.1 R26.2 RTS.1 U9.14 | length 28.9
  Top Layer w0.254: Q3.2@86.7,116.95 Q4.1@86.7,115.5 86.7,115.45 85.98,114.73 84.381,114.73 84.119,114.992 84.119,119.369 84.381,119.631 RTS.1@86.75,122 ; Q3.2@86.7,117 86.7,117.05 86.873,117.223 86.973,117.223 87.811,118.061 88.741,118.061 U9.14@88.775,118.095 90.001,118.095 90.406,118.5 v1(90.5,118.5) ; v1(97.25,119) 98.25,120 R26.2@98.25,123.45
  Bottom Layer w0.254: v1(90.5,118.5) 91,119 v1(97.25,119)
RECEIVER_AMP: C25.2 MCU1.5 R17.2 R_AMP.1 U6.7 | length 123.7
  Top Layer w0.35: v1(162.646,93.779) 162.646,98.677 165.948,101.979 166.021,101.979 v1(167.302,103.26) ; R17.2@173.75,97.75 174.15,98.15 175.306,98.15 175.331,98.175 U6.7@175.825,98.175
  Top Layer w0.8: MCU1.5@88.659,90.75 88.709,90.8 88.709,92.209 v1(89,92.5) ; C25.2@171.75,97.9 171.8,97.85 v1(172.725,97.85) ; v1@172.725,97.854 173.646,97.854 R17.2@173.75,97.75
  Bottom Layer w0.35: v1(162.646,93.779) 162.646,91.104 R_AMP.1@169.75,84
  Bottom Layer w0.8: v1(89,92.5) 91.5,90 102.794,90 104.794,92 105.772,92 105.81,92.038 ccw(c105.244,92.604) 105.812,92.041 cw(c109.92,88) 106.143,92.351 ccw(c105.616,92.953) 106.209,92.416 106.416,92.645 106.416,94.166 115.5,103.25 v1@167.302,103.25 ; v1@167.325,103.25 171.696,98.879 v1(172.725,97.85)
RECEIVER_IN: C24.2 D4.2 D5.1 R16.1 | length 7.1
  Top Layer w0.8: R16.1@186.25,124.25 D5.1@191,124.25 C24.2@191,126.6
RXD: MCU1.35 R29.2 RXD.1 U9.3 | length 26.5
  Top Layer w0.254: RXD.1@86.75,110.25 87.729,110.25 ; MCU1.35@87.389,107.75 87.712,108.073 87.712,108.755 87.729,108.772 87.729,110.25 ; U9.3@94.715,118.095 U9.3@94.225,118.095 94.224,118.096 v1(92.793,118.098) v1(92.793,118.098) 92.793,118.051 92.64,117.898 92.64,117.89 87.729,112.979 87.729,110.25 ; v1(98.25,119) 100,120.75 R29.2@100,123.45
  Bottom Layer w0.254: v1(92.793,118.098) 97.348,118.098 v1(98.25,119)
SCL: MCU1.36 R22.1 U8.4 | length 43.1
  Top Layer w0.254: MCU1.36@86.119,107.75 86.442,107.427 86.442,106.708 87.4,105.75 88.475,105.75 88.491,105.734 88.731,105.734 v1(88.797,105.668) ; v1(103,102) 103.25,102.25 104.917,102.25 cw(c105,101.11) 105.083,102.25 107,102.25 108.35,103.6 117.1,103.6 118.243,102.457 118.403,102.457 118.5,102.36 U8.4@118.5,101.7 ; R22.1@115.95,97.9 115.95,97.95 116.796,98.796 116.796,99.596 118.16,100.96 118.403,100.96 118.54,101.097 U8.4@118.54,101.7
  Bottom Layer w0.254: v1(88.797,105.668) 88.797,105.739 89.051,105.992 89.947,105.992 90.49,105.449 90.49,104.851 93.841,101.5 102.5,101.5 v1(103,102)
SD_CS: J4.18 MCU1.29 | length 96.3
  Top Layer w0.254: v1(95,109.25) 95,107.769 MCU1.29@95.019,107.75
  Bottom Layer w0.254: v1(95,109.25) 95.019,109.269 98.769,109.269 104.5,115 105.5,115 107.8,112.7 184.89,112.7 J4.18@186,113.81
SDA: MCU1.33 R21.1 U8.3 | length 37.7
  Top Layer w0.254: v1(89.577,105.311) 89.606,105.341 89.606,107.427 MCU1.33@89.929,107.75 ; v1(103,101) 103.5,101 104.123,100.377 ccw(c105,101.11) 104.267,100.233 104.459,100.041 104.533,99.967 105.473,99.967 106.75,101.244 106.75,101.25 108.556,103.056 116.614,103.056 117.27,102.4 U8.3@117.27,101.7 117.213,101.643 117.213,100.763 R21.1@115.95,99.5
  Bottom Layer w0.254: v1(89.577,105.311) 89.643,105.245 89.643,104.98 93.631,100.992 102.992,100.992 v1(103,101)
SENSE: Q2.3 U7.3 | length 14.1
  Top Layer w0.35: U7.3@136.2,131.25 136.48,131.25 137.422,131.25 v1(137.443,131.271)
  Top Layer w0.5: Q2.3@128.25,123 128.25,123.2 128.8,123.75 129.723,123.75 129.973,124 v1(130,124)
  Bottom Layer w0.5: v1(130,124) 130.019,124.019 130.019,124.196 134.164,128.341 137.109,131.286 137.427,131.286 v1(137.443,131.271)
SPI_MISO: J4.13 J4.16 MCU1.31 | length 118.9
  Top Layer w0.254: MCU1.31@92.479,107.75 92.5,107.729 v1(92.5,106.25)
  Bottom Layer w0.254: v1(92.5,106.25) 93,105.75 103.068,105.75 103.708,105.11 103.708,103.292 104.747,102.253 106.194,102.253 ; J4.13@105,96.03 105,96.108 106.651,97.759 106.651,101.796 106.194,102.253 ; J4.16@186,108.73 185.757,108.487 185.278,108.487 185.216,108.425 121.425,108.425 118.5,105.5 114,105.5 111.008,108.492 106.91,108.492 105.604,109.798 105.548,109.798 105.473,109.873 104.527,109.873 103.857,109.203 103.857,108.257 104.679,107.434 105.372,107.434 106.194,106.612 106.194,102.253
SPI_MOSI: J4.6 J4.12 J4.17 MCU1.37 | length 121.1
  Top Layer w0.254: MCU1.37@84.849,107.75 85.172,107.427 85.172,106.284 85.957,105.5 86.687,105.5 v1(86.695,105.492) ; v1(102.75,104.25) 102.75,111.56 J4.6@105,113.81
  Bottom Layer w0.254: v1(86.695,105.492) 86.696,105.493 86.696,105.946 88.25,107.5 90,107.5 92.75,104.75 93.648,104.75 94.105,104.292 102.708,104.292 v1(102.75,104.25) 102.75,103.5 103.8,102.45 103.8,99.77 J4.12@105,98.57 ; J4.6@105,113.805 J4.6@105,113.81 107.56,111.25 185.98,111.25 J4.17@186,111.27
SPI_SCK: J4.7 J4.10 J4.15 MCU1.30 | length 109.6
  Top Layer w0.254: v1(93.734,106.447) 93.734,107.735 MCU1.30@93.749,107.75
  Bottom Layer w0.254: v1(93.734,106.447) 93.766,106.447 94.353,107.034 94.372,107.034 94.837,107.5 103.8,107.5 ; J4.10@105,103.65 104.374,104.276 104.3,104.35 104.3,105.275 104.226,105.349 104.222,105.352 cw(c105,106.19) 104.059,105.541 104.044,105.556 103.8,105.8 103.8,107.595 103.349,108.046 103.349,109.414 J4.7@105,111.065 ; J4.7@105,111.27 105,111.128 106.274,109.854 111.686,109.854 114.532,107.008 118.008,107.008 120.867,109.867 185.66,109.867 185.695,109.832 cw(c186,108.73) 186.305,109.832 186.568,109.832 186.643,109.757 187.2,109.2 187.2,107.39 J4.15@186,106.19
THERMISTOR: R18.1 RT1.1 U4.1 U7.11 | length 44.5
  Top Layer w0.254: U4.1@118.79,131.45 118.84,131.5 v1(120.5,131.5) ; v1(125.5,119.3) v1(125.5,125) ; R18.1@128.25,134.5 128.548,134.202 128.798,134.202 129.75,133.25 130.45,133.25 U7.11@130.5,133.2
  Bottom Layer w0.254: RT1.1@111.4,116.111 111.3,116.211 111.3,117.6 113.243,119.543 125.178,119.543 125.421,119.3 v1(125.5,119.3) ; v1(120.5,131.5) 125.25,131.5 ; v1(125.5,125) 125.566,125.066 125.816,125.066 127,126.25 127,128.5 125.25,130.25 125.25,131.5 ; v1(129.274,133.726) 129.226,133.726 127.75,132.25 127.25,132.25 127,132 126,132 125.5,131.5 125.25,131.5
THUMB_SW_CCW: MCU1.12 R9.1 S1.1 | length 66.3
  Top Layer w0.254: MCU1.12@97.559,91.49 97.559,89.409 98.212,88.756 98.212,86.038 100.869,83.381 122.631,83.381 126.961,87.711 150.661,87.711 152.45,89.5 S1.1@152.5,89.5 152.55,89.5 153.702,90.652 154.202,90.652 154.5,90.95 R9.1@154.5,91
THUMB_SW_CW: MCU1.16 R11.1 S1.2 | length 64.9
  Top Layer w0.254: MCU1.16@101.16,94.776 101.436,94.5 102.593,94.5 102.742,94.351 102.742,92.979 100.92,91.157 100.92,89.592 99.29,87.962 99.29,86.497 101,84.787 101,84.75 101.242,84.508 122.258,84.508 126.477,88.727 146.727,88.727 S1.2@147.5,89.5 146.727,90.273 146.127,90.273 145.748,90.652 145.698,90.652 145.4,90.95 R11.1@145.4,91
THUMB_SW_PUSH: C21.2 MCU1.13 R10.1 S1.T | length 77.4
  Top Layer w0.254: MCU1.13@98.824,90.75 98.72,90.646 98.72,86.312 101.032,84 122.5,84 126.719,88.219 149.601,88.219 149.601,89.101 S1.T@150,89.5 150.05,89.5 152.406,91.856 156.544,91.856 157.35,91.05 R10.1@157.35,91 ; C21.2@142.05,91.25 142.071,91.271 142.932,91.271 143.294,91.633 143.517,91.856 147.594,91.856 S1.T@149.95,89.5
TOUCH_CS: J4.11 MCU1.14 | length 19.9
  Top Layer w0.254: v1(96.75,93.358) 97.858,92.25 99.617,92.25 99.766,92.101 99.766,91.073 MCU1.14@100.089,90.75
  Bottom Layer w0.254: v1(96.75,93.358) 100.608,93.358 104.677,97.427 105.473,97.427 106.143,98.097 106.143,99.043 105.219,99.967 105.219,100.891 J4.11@105,101.11
TXD: MCU1.34 R28.2 TXD.1 U9.2 | length 26.8
  Top Layer w0.254: MCU1.34@88.659,107.75 88.659,108.3 88.25,108.709 88.25,110.25 ; TXD.1@89.415,110.25 88.25,110.25 ; v1@92.82,116.876 92.845,116.851 94.199,116.851 U9.2@94.225,116.825 ; v1(92.82,116.939) 92.753,116.873 92.373,116.873 88.25,112.75 88.25,110.25 ; v1(99.266,119.016) 101.75,121.5 R28.2@101.75,123.45
  Bottom Layer w0.254: v1(92.82,116.939) 92.882,116.939 93.443,117.5 97.75,117.5 v1(99.266,119.016)
USB_D_N: J1.2 U5.1 | length 6.1
  Top Layer w0.381: J1.2@83.326,129.8 83.385,129.74 84.38,129.74 84.403,129.718 85.159,129.718 86.088,128.788 86.088,127.841 86.311,127.617 86.627,127.617 87.15,128.141 87.641,128.141 U5.1@87.75,128.25
USB_D_P: J1.3 U5.3 | length 6.1
  Top Layer w0.381: J1.3@83.326,129 83.385,129.059 84.38,129.059 84.403,129.083 84.896,129.083 85.453,128.525 85.453,127.578 86.048,126.982 86.627,126.982 87.15,126.46 87.641,126.46 U5.3@87.75,126.35
VBIAS: BIAS.1 C12.2 C13.2 C14.2 D2.1 D3.2 D4.1 D5.2 J2.2 J2.3 J2.4 J3.2 J3.3 J3.4 R4.1 R5.2 U2.3 U6.3 U6.5 | length 127.4
  Top Layer w0.35: U6.5@175.825,99.475 175.83,99.47 178.355,99.47 179,98.825 ; 176.7,92.65 176.7,95.2 179,97.5 179,98.825 ; U6.3@180.275,98.825 179,98.825
  Top Layer w0.5: U2.3@175.65,92.55 175.75,92.65 176.7,92.65 177.65,92.65 177.75,92.75 C12.2@182,92.75 183.45,92.75 183.7,93 ; R5.2@184,92.95 184.175,93.125 184.875,93.125 185.309,93.559 185.309,93.588 185.575,93.853 185.603,93.853 185.85,94.1 186.012,94.1 R4.1@186.012,94.25 ; D2.1@188.5,98.5 186,96 186,94.25 187.5,94.25 189.75,92 192.96,92 J2.2@194,93.04 ; D4.1@188.5,121.39 D5.2@191,121.39 193.86,124.25 198.91,124.25 J3.4@199.08,124.42 J3.3@199.08,134.58 199,134.5 196.46,134.5 J3.2@194,132.04 ; D2.1@188.699,98.5 D3.2@191,98.5
  Bottom Layer w0.35: BIAS.1@191.75,84 197.342,84 198.762,85.42 J2.4@199.08,85.42
  Bottom Layer w0.5: J2.2@194,93.04 196.54,95.58 J2.3@199.08,95.58 ; J2.4@199.08,85.42 J2.3@199.08,95.58 ; J3.4@199.08,124.42 207,116.5 207,103.5 J2.3@199.08,95.58
VBUS: FB1.1 J1.1 | length 4.7
  Top Layer w0.8: J1.1@82.558,130.784 83.326,130.784 FB1.1@87.25,130.784
VMEAS: C9.2 MEAS.1 Q2.4 Q5.2 R6.2 R20.2 R30.2 U1.4 U4.5 U7.2 U8.7 | length 93.4
  Top Layer w0.35: R30.2@119,97.9 119,97.95 120.2,99.15 ; Q5.2@120.2,94.5 120.2,99.15 ; R20.2@120.625,103.7 120.343,103.418 120.343,99.293 120.2,99.15 ; U7.2@136.2,130.6 136.216,130.584 137.098,130.584 137.141,130.542 137.329,130.542 ; 137.329,130.549 137.329,130.542 ; MEAS.1@144,136 138.542,130.542 137.329,130.542
  Top Layer w0.5: 116,104.75 116,105.8 116.016,105.784 116.016,106.484 U8.7@116,106.5 ; v1(130.55,115.8) 130.55,116 Q2.4@132.6,118.05 ; v1(132.65,118) 132.65,119.75 134.2,121.3 134.2,123.6 137.329,126.729 137.329,130.371
  Top Layer w0.8: 113.09,117.725 112.621,118.194 112.621,120.601 114.98,122.96 U4.5@114.98,126 ; R6.2@113.75,117.7 113.725,117.675 113.675,117.675 112.649,116.649 112.649,112.73 113.446,111.933 113.446,105.273 113.969,104.75 116,104.75 117.75,104.75 118.8,103.7 R20.2@120.75,103.7 120.75,104.09 122.6,105.94 C9.2@122.6,108.331 ; U1.4@127.38,106.25 127.38,107.105 126.265,108.22 123.549,108.22 123.269,108.5 123.05,108.5 122.8,108.75 122.8,108.85 127.072,113.122 128.053,113.122 130.55,115.619 v1(130.55,115.8)
  other v1: 128.45,113.5 130.55,113.5 132.65,113.5 128.55,115.8 132.65,115.8 128.55,118 130.55,118
VUSB: C16.2 C17.2 D6.1 D7.1 FB1.2 R18.2 U4.4 U4.8 U5.5 U7.5 U7.8 U7.9 U7.14 VUSB.1 | length 91.7
  Top Layer w0.35: VUSB.1@88.5,136 88.5,135.82 88.85,135.47 C17.2@88.85,132.75 ; 129.602,131.254 129.622,131.234 130.484,131.234 U7.14@130.5,131.25 ; U7.9@130.337,134.53 130.455,134.508 U7.9@130.5,134.5 ; U7.5@136.2,132.55 136.216,132.566 137.347,132.566 138.214,133.433 138.214,134.036 137.75,134.5 U7.8@136.2,134.5
  Top Layer w0.5: FB1.2@88.85,130.5 88.85,128.763 88.983,128.63 88.983,127.829 89.462,127.35 U5.5@90.037,127.35 ; U4.8@118.79,125.55 118.79,126.025 121,128.235 121,130.657 121.293,130.95 D7.1@122.5,130.95 D6.1@124.5,130.95 124.5,135.5 ; 127.25,135.5 127.25,133.5 127.5,133.25 128.2,133.25 R18.2@128.25,133.2 128.3,133.2 128.475,133.025 128.475,132.374 129.516,131.333 129.523,131.333 129.602,131.254
  Top Layer w0.8: FB1.2@88.85,130.5 C17.2@88.85,132.75 90.8,132.75 93.85,135.8 112.7,135.8 ; U4.4@114.98,131 114.98,133.52 C16.2@114.8,133.7 112.7,135.8 ; 130.5,134.75 130.5,135.8 ; 136.2,134.8 136.2,135.05 135.45,135.8 130.5,135.8 ; 112.7,135.8 124.5,135.8 127.25,135.8 130.5,135.8
pads on no net: F1.1 F2.1 F3.1 J1.4 J1.M J1.SH J4.9 J4.14 J4.MH1 J4.MH2 J4.MH3 J4.MH4 J5.6 J5.MH J6.6 J6.MH MCU1.17 MCU1.18 MCU1.19 MCU1.21 MCU1.32 Q1.1 Q1.8 S1.MHSW1 S1.MHSW2 U3.4 U9.7 U9.8 U9.9 U9.10 U9.11 U9.12 U9.15 U10.13
copper on no net:
  other v1: 109.92,85.71 186,85.72 108.294,86.374 111.546,86.374 184.374,86.384 187.626,86.384 107.62,88.01 112.22,88.01 183.7,88.02 188.3,88.02 108.294,89.626 111.546,89.626 184.374,89.636 187.626,89.636 109.92,90.31 186,90.32 109.92,129.71 186,129.71 108.294,130.374 111.546,130.374 184.374,130.374 187.626,130.374 107.62,132.01 112.22,132.01 183.7,132.01 188.3,132.01 108.294,133.626 111.546,133.626 184.374,133.626 187.626,133.626 109.92,134.31 186,134.31

## Polygon pours and split planes (outlines as drawn)
GND on Top Layer "GND_L01_P001" (solid, pour order 1): 75.5,137 208,137 208,83 75.5,83
3V3 on Top Layer "NONET_L01_P-001" (solid, pour order 7): 123.4,102.2 123.5,102.2 125,102.2 124.999,100.486 129.503,100.486 129.503,100 129.503,94.736 123.4,94.736
3V3 on Top Layer "NONET_L01_P-001" (solid, pour order 9): 84.3,91.8 85.4,91.8 85.4,89.7 86.1,89 88.25,89 88.25,85.5 84.6,85.5 84.6,89.2 84.3,89.5
GND on Bottom Layer "GND_L02_P000" (solid, pour order 0): 75.5,137 208,137 208,83 205,83 75.5,83
3V3 on Bottom Layer "NONET_L01_P-001" (solid, pour order 5): 121.75,100.5 125,100.5 129.5,100.5 129.5,94.75 121.75,94.75

## Keep-outs
Keep-Out Layer:
  rectangle: 75.5,83 82.5,123.25
  rectangle: 143.5,80.5 156.5,83.5

## Silkscreen, mask and mechanical layers (free items; w line width, h text height)
Top Overlay:
  drawing of 69 lines, arcs and shapes, not listed
  text "JLCJLCJLCJLC" at 180,136.652 h1 r180
  text "DTR" at 95.258,133.402 h1.02 r90
  text "RTS" at 97.258,133.402 h1.02 r90
  text "RXD" at 99.258,133.402 h1.02 r90
  text "TXD" at 101.258,133.402 h1.02 r90
  text "3V3" at 103.258,133.402 h1.02 r90
  text "STBY" at 123.008,132.352 h1.02 r90
  text "CHRG" at 125.008,132.352 h1.02 r90
  text "J." at 76.75,122.75 h0.9 r270
  text "TIK MODULE 1" at 80.75,122.75 h0.9 r270
  text ".ProjectDate" at 78.902,122.598 h0.9 r270
  text "DEL PINO MENA" at 76.75,120.5 h0.9 r270
  text "RECEIVER" at 197.078,120.34 h1.02
  text "SHORT IF / NIMH BAT" at 119.654,116.349 h0.76 r270
  text "V" at 78.902,112.848 h0.9 r270
  text ".ProjectRevision" at 78.902,111.348 h0.9 r270
  text "EMITTER" at 199.843,98.34 h1.02
  text "VBIAS / BYPASS" at 186.752,97.84 h1.02 r90
  text "PWRUP" at 98.552,83.692 h1.02
  text "BOOT" at 163.388,83.652 h1.02
  text "RESET" at 176.88,83.652 h1.02
Bottom Overlay:
  drawing of 255 lines, arcs and shapes, not listed
  text "SD CARD SLOT" at 162.551,135 h1.5
  text "LOAD CELL" at 176.25,135 h1.5
  text "MINI-USB-B" at 78.5,134 h1.5 r90
  text "NOTES:" at 101.25,133.09 h1.02
  text "ANTENNA KEEPOUT" at 82.484,123.25 h2 r90
  text "TIK handheld device" at 169,123 h4
  text "RECEIVER [STOP]" at 203,122 h3 r270
  text "MODULE 1" at 154.755,120.806 h2.5
  text "C" at 97.115,118.922 h10
  text "| rev" at 150,117.902 h2.5
  text ".ProjectRevision" at 143.998,117.829 h2.5
  text ".ProjectDate" at 163.276,117.829 h2.5
  text "| github.com/dpmj" at 150,114.472 h2.5
  text ".ProjectAuthor" at 168.934,114.321 h2.4
  text "p" at 93.434,112.42 h5
  text "R" at 97.199,110.014 h10
  text "EXPANSION" at 206,106.75 h1.5 r270
  text "BATTERY MAX DIM:  / 06x50x65 mm (605065)" at 121.614,106 h1.02 r90
  text "W" at 95.829,101.641 h8
  text "e" at 97.761,90.401 h12
  text "THUMB BUTTON" at 141,85 h1.5 r180
  text "EMITTER / [START]" at 203,83 h3 r270
Board Outline:
  lines w0.152: 145,83 78,83 cw(c78,85) 76,85 76,135 cw(c78,135) 78,137 206,137 cw(c206,135) 208,135 208,85 cw(c206,85) 206,83 155,83 154,83 145,83 ; 145,83 145,83
Dimensions:
  lines w0.254: 136.514,142 162.51,142 162.51,144 136.514,144 136.514,142
  text "SD CARD SLOT" at 143.075,142.492 h1.02
Top description:
  text "Board outline + Multilayer + Top overlay + Top layer + Keep-out + dimensions" at 67.5,43.75 h3
  text "1" at 248.5,6.5 h2
Bottom description:
  text "Board outline + Multilayer + Bottom overlay + Bottom layer + Keep-out + dimensions" at 67.5,45.625 h3
  text "2" at 248.5,6.5 h2
Mechanical 16:
  drawing of 8388 lines, arcs and shapes, not listed
  text "1" at 36.246,189.611 h1.78
  text "2" at 108.89,189.611 h1.78
  text "3" at 182.042,189.611 h1.78
  text "4" at 254.94,189.611 h1.78
  text "A" at 1.905,166.599 h1.78
  text "A" at 288.925,166.599 h1.78
  text "B" at 289,120.6 h1.78
  text "B" at 1.905,118.542 h1.78
  text "C" at 1.905,70.028 h1.78
  text "C" at 289,70 h1.78
  text "VISIBLE LAYERS:" at 68,57.5 h3
  text "TRACKS & POLYGONS COLOR LEGEND:" at 135.5,57.5 h3
  text "POWER REFERENCE GND/BAT-" at 172.5,52.291 h2
  text "SPI" at 202.5,52.291 h2
  text "EMITTER/RECEIVER / ANALOG SIGNALS" at 142.5,52.256 h2
  text "GENERIC NET ON TOP LAYER" at 142.5,47.291 h2
  text "I2C" at 202.5,47.291 h2
  text "POWER RAIL  / 3V3/BAT+/VUSB/ / VMEAS/VSENSE" at 172.5,46.347 h2
  text "GENERIC NET ON BOTTOM LAYER" at 142.5,42.291 h2
  text "POWER RAIL / VBIAS" at 172.5,42.291 h2
  text "SERIAL  / UART/USB" at 202.5,42.291 h2
  text "Designer's signature:" at 139.446,26.924 h2
  text "Dpto. Electronica y Tecnologia" at 231.394,25.654 h2
  text "Sheet title: TIK Handheld Device PCB" at 168.148,24.892 h3.5
  text "de Computadores" at 231.394,23.114 h2
  text "D" at 1.905,22.022 h1.78
  text "D" at 288.925,22.022 h1.78
  text "TIK handheld device PCB" at 10.16,20.868 h7
  text "University of Granada" at 231.428,19.365 h2
  text "Project title: TIK_HandheldDevice" at 168.148,18.542 h3.5
  text "C/ Fuente Nueva, s/n, 18001" at 231.394,15.542 h2
  text "Supervisor's signature:" at 139.7,14.478 h2
  text "Granada, Granada, Spain" at 231.394,13.002 h2
  text "Designer: .ProjectAuthor" at 168.148,12.7 h3.5
  text "Date: .ProjectDate" at 231,8.5 h2
  text "PCB orientation: vertical. Screen facing front, BNCs on top, USB at the bottom, SD Card  / reader at the left, powerup button at the bottom front right, and multipurpose button on  / the right side." at 10.16,8 h3
  text "Supervisor: Andres Roldan Aranda" at 168.148,6.858 h3.5
  text "Revision: .ProjectRevision" at 231,6.5 h2
  text "Sheet   of 2" at 248.5,6.5 h2
  text "1" at 36.246,1.651 h1.78
  text "2" at 108.89,1.651 h1.78
  text "3" at 182.042,1.651 h1.78
  text "4" at 254.94,1.651 h1.78

## Dimensions
109.92,132 to 136.514,144.381 on Dimensions
109.92,132 to 78,137 on Dimensions
76,85 to 99,82 on Dimensions
95.288,87 to 78,83 on Dimensions
105,126.51 to 109.92,132 on Dimensions
173,131.5 to 208,143 on Dimensions
186,132 to 208,140.75 on Dimensions
199.08,85.42 to 208,82.746 on Dimensions
194,129.5 to 194,90.5 on Dimensions
202.5,110 to 206,83 on Dimensions
194,129.5 to 206,137 on Dimensions
77,128 to 78,137 on Dimensions
208,135 to 76,135 on Dimensions
150,82.5 to 208,83 on Dimensions
109.92,132 to 186,132 on Dimensions
162.51,144 to 136.514,144.381 on Dimensions
78,83 to 78,137 on Dimensions

## Text inside footprints (layer, text, board x,y; h text height)
BAT1: Top Overlay "BAT+" at 117.913,111.362 h1.02 r270; Top Overlay "BAT-" at 117.913,116.442 h1.02 r270; Bottom Overlay "BAT+" at 117.913,107.638 h1.02 r270; Bottom Overlay "BAT-" at 117.913,112.718 h1.02 r270
J2: Bottom Overlay "+" at 192.324,91.008 h1.02 r180; Bottom Overlay "-" at 192.324,93.548 h1.02 r180; Mechanical 13 "BNC / CONNECTOR" at 209.693,87.635 h1.52
J3: Bottom Overlay "-" at 192.324,132.548 h1.02 r180; Bottom Overlay "+" at 192.324,130.008 h1.02 r180; Mechanical 13 "BNC / CONNECTOR" at 209.693,126.635 h1.52
J4: Top Overlay "DISPLAY" at 111.418,110.209 h1.02 r90; Top Overlay "T IRQ" at 107.057,92.982 h1.02; Top Overlay "T DO" at 107.057,95.522 h1.02; Top Overlay "T DIN" at 107.057,98.062 h1.02; Top Overlay "T CS" at 107.057,100.602 h1.02; Top Overlay "T CLK" at 107.057,103.142 h1.02; Top Overlay "SDO" at 107.057,105.682 h1.02; Top Overlay "LED" at 107.057,108.222 h1.02; Top Overlay "SCK" at 107.057,110.762 h1.02; Top Overlay "SDI" at 107.057,113.302 h1.02; Top Overlay "DC" at 107.057,115.842 h1.02; Top Overlay "RESET" at 107.057,118.382 h1.02; Top Overlay "CS" at 107.057,120.922 h1.02; Top Overlay "GND" at 107.057,123.462 h1.02; Top Overlay "VCC" at 107.057,126.002 h1.02; Top Overlay "SD SCK" at 183.588,106.698 h1.02 r180; Top Overlay "SD MISO" at 183.588,109.238 h1.02 r180; Top Overlay "SD MOSI" at 183.588,111.778 h1.02 r180; Top Overlay "SD CS" at 183.588,114.318 h1.02 r180; Bottom Overlay "VCC" at 109.802,126.002 h1.02; Bottom Overlay "CS" at 108.786,120.922 h1.02; Bottom Overlay "GND" at 109.802,123.462 h1.02; Bottom Overlay "T IRQ" at 111.664,92.982 h1.02; Bottom Overlay "DISPLAY" at 111.418,116.811 h1.02 r90; Bottom Overlay "T DO" at 110.817,95.522 h1.02; Bottom Overlay "T DIN" at 111.664,98.062 h1.02; Bottom Overlay "T CS" at 110.817,100.602 h1.02; Bottom Overlay "T CLK" at 111.833,103.142 h1.02; Bottom Overlay "SDO" at 109.802,105.682 h1.02; Bottom Overlay "LED" at 109.802,108.222 h1.02; Bottom Overlay "SCK" at 109.802,110.762 h1.02; Bottom Overlay "SDI" at 109.463,113.302 h1.02; Bottom Overlay "DC" at 108.786,115.842 h1.02; Bottom Overlay "RESET" at 111.833,118.382 h1.02; Bottom Overlay "SD MOSI" at 177.161,111.778 h1.02 r180; Bottom Overlay "SD CS" at 178.854,114.318 h1.02 r180; Bottom Overlay "SD SCK" at 177.838,106.698 h1.02 r180; Bottom Overlay "SD MISO" at 176.992,109.238 h1.02 r180; Mechanical 13 "SD CARD READER / IN THIS SIDE" at 158.997,131.955 h1.02 r180
J5: Top Overlay "3" at 200.15,106.41 h1.02 r180; Top Overlay "2" at 192.4,114.66 h1.02 r180; Top Overlay "5" at 188.99,112 h1.02 r270; Top Overlay "6" at 206.9,106.41 h1.02 r180; Top Overlay "4" at 202.15,114.66 h1.02 r180; Top Overlay "1" at 208.65,114.66 h1.02 r180
J6: Top Overlay "6" at 176.59,135.9 h1.02 r270; Top Overlay "3" at 176.59,129.15 h1.02 r270; Top Overlay "1" at 168.34,137.65 h1.02 r270; Top Overlay "4" at 168.34,131.15 h1.02 r270; Top Overlay "5" at 171,117.99 h1.02; Top Overlay "2" at 168.34,121.4 h1.02 r270
MCU1: Mechanical 13 "ANTENNA" at 79.91,93.25 h1.78 r90
RT1: Top Overlay "NTC+" at 112.049,117.933 h0.76 r180; Bottom Overlay "NTC+" at 112.049,116.867 h0.76
S1: Top Overlay "G" at 156.652,85.089 h1.02 r270; Top Overlay "C" at 142.332,85.089 h1.02 r270; Top Overlay "1" at 151.992,91.491 h1.02 r270; Top Overlay "T" at 149.492,91.83 h1.02 r270; Top Overlay "2" at 146.992,91.829 h1.02 r270